# KiCad board panel12-1616.kicad_pcb
title: Malenki-nano2; date: 2019-11-07
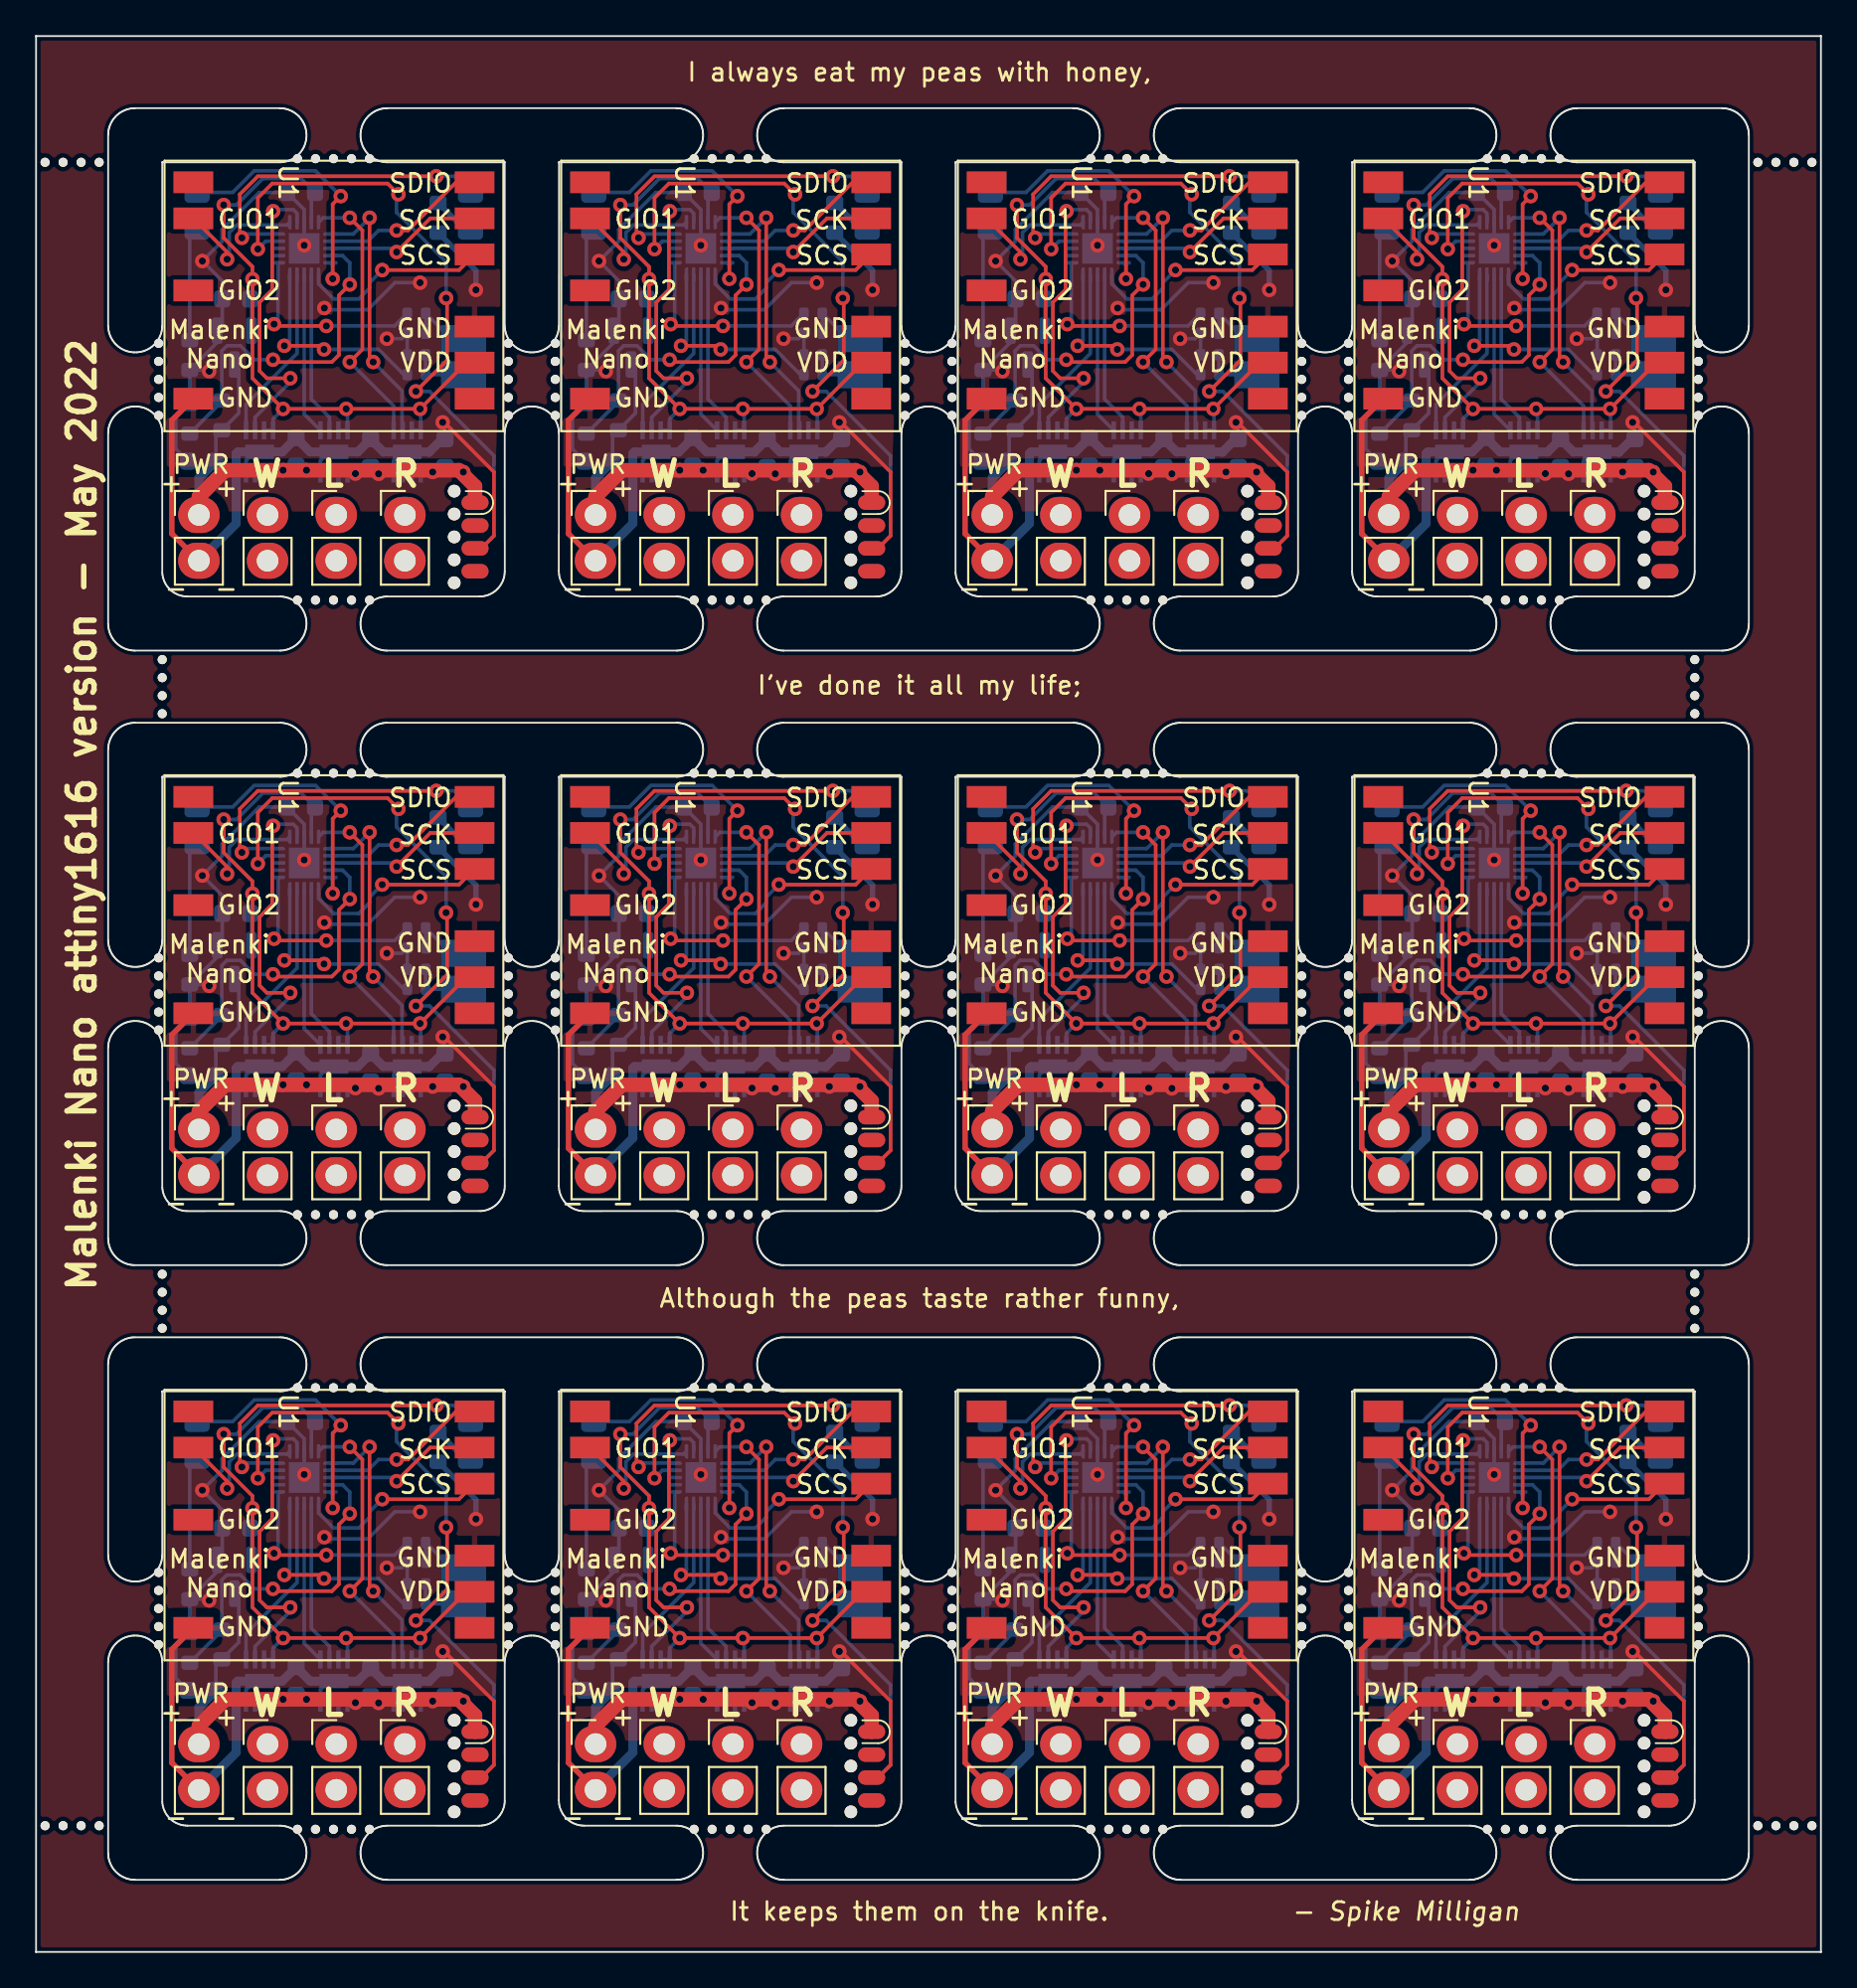
[diagram p0: board, top side]
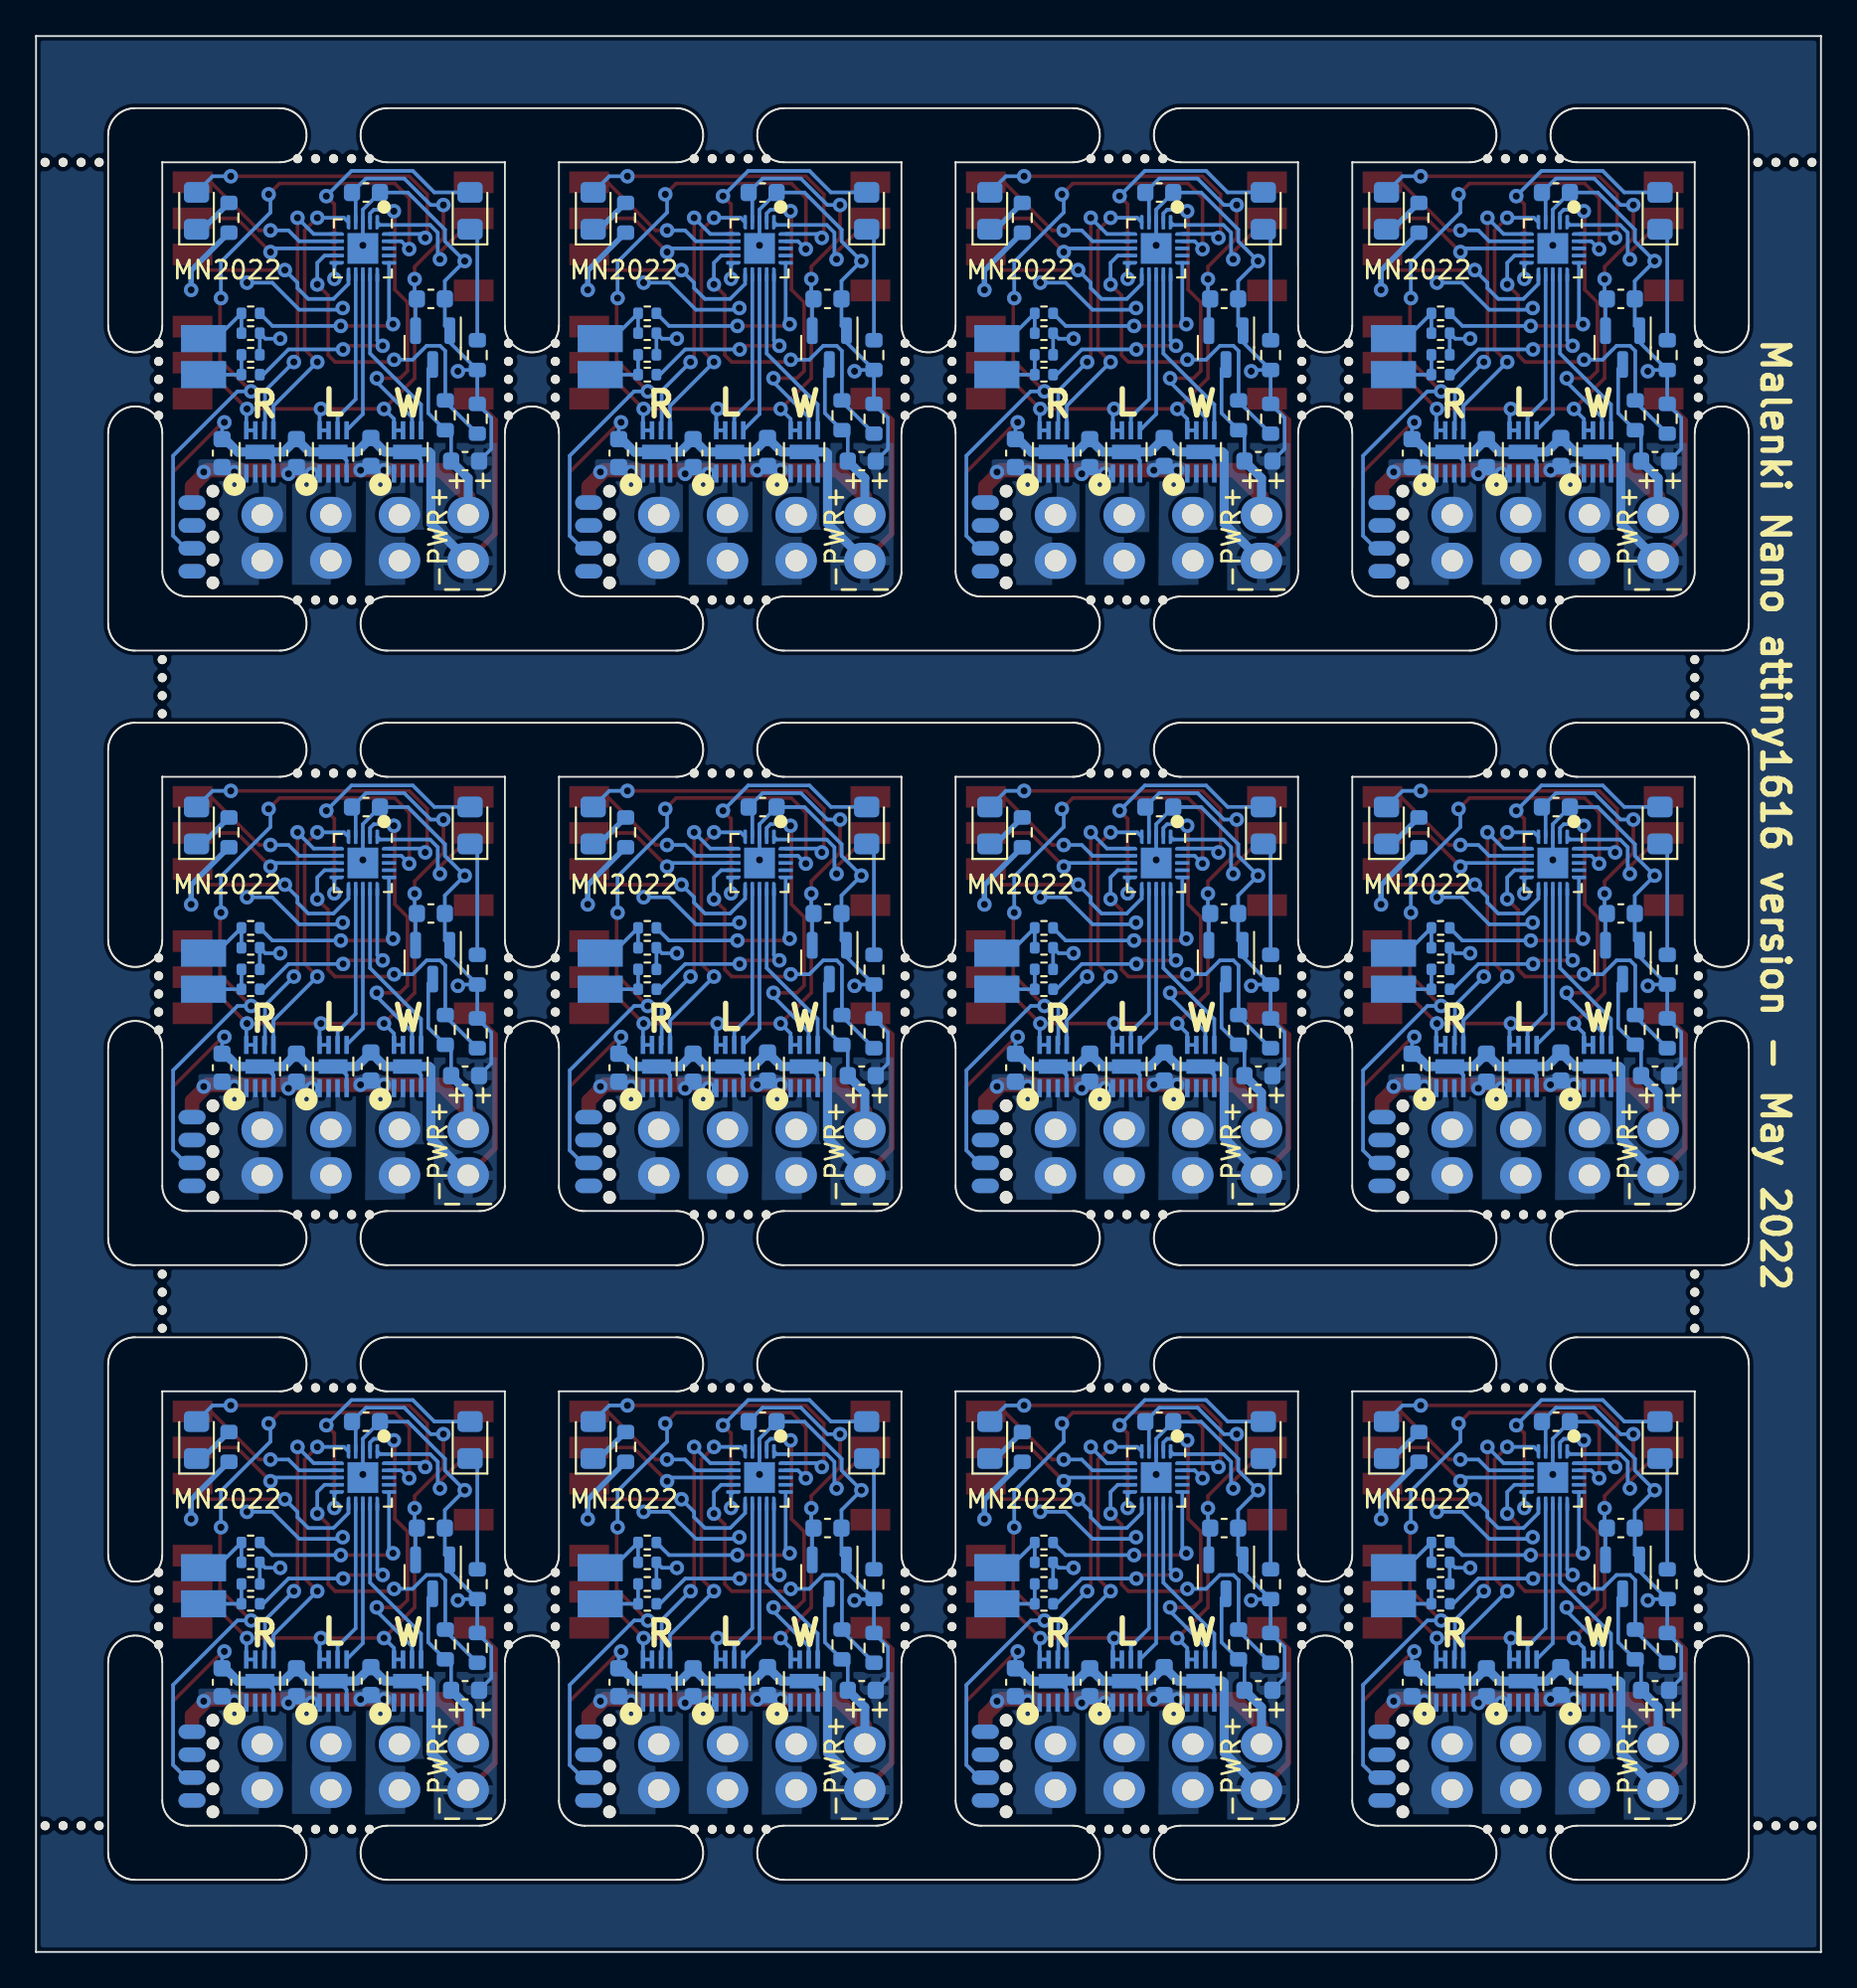
[diagram p1: board, bottom side, seen from below]

Outline 99.02 x 106.25 mm; copper layers: Top, Bottom. Coordinates in mm from the lower left corner of the outline.
Stack: Top 0.035mm / dielectric 1.51mm FR4 er 4.5 / Bottom 0.035mm

## Placement (name value [footprint] x y rotation side)
C2  10uF 25V  [C_0603_1608Metric]  53.21 14.51 180 bottom
C2#2  10uF 25V  [C_0603_1608Metric]  31.21 82.68 180 bottom
C2#3  10uF 25V  [C_0603_1608Metric]  53.21 82.68 180 bottom
C2#4  10uF 25V  [C_0603_1608Metric]  31.21 14.51 180 bottom
C2#5  10uF 25V  [C_0603_1608Metric]  75.22 14.51 180 bottom
C2#6  10uF 25V  [C_0603_1608Metric]  75.22 82.68 180 bottom
C2#7  10uF 25V  [C_0603_1608Metric]  9.2 82.68 180 bottom
C2#8  10uF 25V  [C_0603_1608Metric]  75.22 48.6 180 bottom
C2#9  10uF 25V  [C_0603_1608Metric]  53.21 48.6 180 bottom
C2#10  10uF 25V  [C_0603_1608Metric]  31.21 48.6 180 bottom
C2#11  10uF 25V  [C_0603_1608Metric]  9.2 14.51 180 bottom
C2#12  10uF 25V  [C_0603_1608Metric]  9.2 48.6 180 bottom
C3  10uF 25V  [C_0603_1608Metric]  55.11 57.59 180 bottom
C3#2  10uF 25V  [C_0603_1608Metric]  33.11 57.59 180 bottom
C3#3  10uF 25V  [C_0603_1608Metric]  11.1 23.51 180 bottom
C3#4  10uF 25V  [C_0603_1608Metric]  55.11 23.51 180 bottom
C3#5  10uF 25V  [C_0603_1608Metric]  55.11 91.67 180 bottom
C3#6  10uF 25V  [C_0603_1608Metric]  77.12 23.51 180 bottom
C3#7  10uF 25V  [C_0603_1608Metric]  77.12 91.67 180 bottom
C3#8  10uF 25V  [C_0603_1608Metric]  11.1 57.59 180 bottom
C3#9  10uF 25V  [C_0603_1608Metric]  77.12 57.59 180 bottom
C3#10  10uF 25V  [C_0603_1608Metric]  11.1 91.67 180 bottom
C3#11  10uF 25V  [C_0603_1608Metric]  33.11 23.51 180 bottom
C3#12  10uF 25V  [C_0603_1608Metric]  33.11 91.67 180 bottom
C4  0.1uF  [C_0603_1608Metric]  36.71 29.41 180 bottom
C4#2  0.1uF  [C_0603_1608Metric]  14.7 63.49 180 bottom
C4#3  0.1uF  [C_0603_1608Metric]  58.71 63.49 180 bottom
C4#4  0.1uF  [C_0603_1608Metric]  36.71 97.57 180 bottom
C4#5  0.1uF  [C_0603_1608Metric]  36.71 63.49 180 bottom
C4#6  0.1uF  [C_0603_1608Metric]  80.72 29.41 180 bottom
C4#7  0.1uF  [C_0603_1608Metric]  58.71 29.41 180 bottom
C4#8  0.1uF  [C_0603_1608Metric]  80.72 63.49 180 bottom
C4#9  0.1uF  [C_0603_1608Metric]  58.71 97.57 180 bottom
C4#10  0.1uF  [C_0603_1608Metric]  14.7 29.41 180 bottom
C4#11  0.1uF  [C_0603_1608Metric]  80.72 97.57 180 bottom
C4#12  0.1uF  [C_0603_1608Metric]  14.7 97.57 180 bottom
C5  10uF 25V  [C_0603_1608Metric]  80.45 83.19 90 bottom
C5#2  10uF 25V  [C_0603_1608Metric]  14.43 15.02 90 bottom
C5#3  10uF 25V  [C_0603_1608Metric]  80.45 49.1 90 bottom
C5#4  10uF 25V  [C_0603_1608Metric]  36.44 83.19 90 bottom
C5#5  10uF 25V  [C_0603_1608Metric]  14.43 49.1 90 bottom
C5#6  10uF 25V  [C_0603_1608Metric]  36.44 49.1 90 bottom
C5#7  10uF 25V  [C_0603_1608Metric]  58.44 49.1 90 bottom
C5#8  10uF 25V  [C_0603_1608Metric]  58.44 83.19 90 bottom
C5#9  10uF 25V  [C_0603_1608Metric]  14.43 83.19 90 bottom
C5#10  10uF 25V  [C_0603_1608Metric]  80.45 15.02 90 bottom
C5#11  10uF 25V  [C_0603_1608Metric]  36.44 15.02 90 bottom
C5#12  10uF 25V  [C_0603_1608Metric]  58.44 15.02 90 bottom
C6  10uF 25V  [C_0603_1608Metric]  40.56 14.96 90 bottom
C6#2  10uF 25V  [C_0603_1608Metric]  18.56 49.04 90 bottom
C6#3  10uF 25V  [C_0603_1608Metric]  18.56 14.96 90 bottom
C6#4  10uF 25V  [C_0603_1608Metric]  84.57 49.04 90 bottom
C6#5  10uF 25V  [C_0603_1608Metric]  84.57 83.12 90 bottom
C6#6  10uF 25V  [C_0603_1608Metric]  40.56 49.04 90 bottom
C6#7  10uF 25V  [C_0603_1608Metric]  40.56 83.12 90 bottom
C6#8  10uF 25V  [C_0603_1608Metric]  84.57 14.96 90 bottom
C6#9  10uF 25V  [C_0603_1608Metric]  62.57 14.96 90 bottom
C6#10  10uF 25V  [C_0603_1608Metric]  62.57 49.04 90 bottom
C6#11  10uF 25V  [C_0603_1608Metric]  62.57 83.12 90 bottom
C6#12  10uF 25V  [C_0603_1608Metric]  18.56 83.12 90 bottom
C7  10uF 25V  [C_0603_1608Metric]  22.69 83.12 90 bottom
C7#2  10uF 25V  [C_0603_1608Metric]  44.69 83.12 90 bottom
C7#3  10uF 25V  [C_0603_1608Metric]  88.7 49.04 90 bottom
C7#4  10uF 25V  [C_0603_1608Metric]  44.69 49.04 90 bottom
C7#5  10uF 25V  [C_0603_1608Metric]  88.7 14.96 90 bottom
C7#6  10uF 25V  [C_0603_1608Metric]  66.7 49.04 90 bottom
C7#7  10uF 25V  [C_0603_1608Metric]  66.7 14.96 90 bottom
C7#8  10uF 25V  [C_0603_1608Metric]  88.7 83.12 90 bottom
C7#9  10uF 25V  [C_0603_1608Metric]  22.69 49.04 90 bottom
C7#10  10uF 25V  [C_0603_1608Metric]  22.69 14.96 90 bottom
C7#11  10uF 25V  [C_0603_1608Metric]  44.69 14.96 90 bottom
C7#12  10uF 25V  [C_0603_1608Metric]  66.7 83.12 90 bottom
D1  LED Blue  [LED_0805_2012Metric_Pad1.15x1.40mm_HandSolder]  8.93 62.47 90 bottom
D1#2  LED Blue  [LED_0805_2012Metric_Pad1.15x1.40mm_HandSolder]  30.94 96.56 90 bottom
D1#3  LED Blue  [LED_0805_2012Metric_Pad1.15x1.40mm_HandSolder]  52.94 96.56 90 bottom
D1#4  LED Blue  [LED_0805_2012Metric_Pad1.15x1.40mm_HandSolder]  52.94 28.39 90 bottom
D1#5  LED Blue  [LED_0805_2012Metric_Pad1.15x1.40mm_HandSolder]  74.94 28.39 90 bottom
D1#6  LED Blue  [LED_0805_2012Metric_Pad1.15x1.40mm_HandSolder]  8.93 28.39 90 bottom
D1#7  LED Blue  [LED_0805_2012Metric_Pad1.15x1.40mm_HandSolder]  8.93 96.56 90 bottom
D1#8  LED Blue  [LED_0805_2012Metric_Pad1.15x1.40mm_HandSolder]  52.94 62.47 90 bottom
D1#9  LED Blue  [LED_0805_2012Metric_Pad1.15x1.40mm_HandSolder]  74.94 62.47 90 bottom
D1#10  LED Blue  [LED_0805_2012Metric_Pad1.15x1.40mm_HandSolder]  74.94 96.56 90 bottom
D1#11  LED Blue  [LED_0805_2012Metric_Pad1.15x1.40mm_HandSolder]  30.94 28.39 90 bottom
D1#12  LED Blue  [LED_0805_2012Metric_Pad1.15x1.40mm_HandSolder]  30.94 62.47 90 bottom
D2  LED Red  [LED_0805_2012Metric_Pad1.15x1.40mm_HandSolder]  24.1 62.47 90 bottom
D2#2  LED Red  [LED_0805_2012Metric_Pad1.15x1.40mm_HandSolder]  24.1 28.39 90 bottom
D2#3  LED Red  [LED_0805_2012Metric_Pad1.15x1.40mm_HandSolder]  68.11 96.56 90 bottom
D2#4  LED Red  [LED_0805_2012Metric_Pad1.15x1.40mm_HandSolder]  46.11 28.39 90 bottom
D2#5  LED Red  [LED_0805_2012Metric_Pad1.15x1.40mm_HandSolder]  90.12 28.39 90 bottom
D2#6  LED Red  [LED_0805_2012Metric_Pad1.15x1.40mm_HandSolder]  68.11 28.39 90 bottom
D2#7  LED Red  [LED_0805_2012Metric_Pad1.15x1.40mm_HandSolder]  90.12 62.47 90 bottom
D2#8  LED Red  [LED_0805_2012Metric_Pad1.15x1.40mm_HandSolder]  90.12 96.56 90 bottom
D2#9  LED Red  [LED_0805_2012Metric_Pad1.15x1.40mm_HandSolder]  68.11 62.47 90 bottom
D2#10  LED Red  [LED_0805_2012Metric_Pad1.15x1.40mm_HandSolder]  24.1 96.56 90 bottom
D2#11  LED Red  [LED_0805_2012Metric_Pad1.15x1.40mm_HandSolder]  46.11 96.56 90 bottom
D2#12  LED Red  [LED_0805_2012Metric_Pad1.15x1.40mm_HandSolder]  46.11 62.47 90 bottom
J1  Conn_01x02_Male  [PinHeader_1x02_P2.54mm_BIG1]  75.05 79.69 0 top
J1#2  Conn_01x02_Male  [PinHeader_1x02_P2.54mm_BIG1]  53.04 11.53 0 top
J1#3  Conn_01x02_Male  [PinHeader_1x02_P2.54mm_BIG1]  31.04 45.61 0 top
J1#4  Conn_01x02_Male  [PinHeader_1x02_P2.54mm_BIG1]  9.03 11.53 0 top
J1#5  Conn_01x02_Male  [PinHeader_1x02_P2.54mm_BIG1]  53.04 45.61 0 top
J1#6  Conn_01x02_Male  [PinHeader_1x02_P2.54mm_BIG1]  75.05 11.53 0 top
J1#7  Conn_01x02_Male  [PinHeader_1x02_P2.54mm_BIG1]  53.04 79.69 0 top
J1#8  Conn_01x02_Male  [PinHeader_1x02_P2.54mm_BIG1]  9.03 45.61 0 top
J1#9  Conn_01x02_Male  [PinHeader_1x02_P2.54mm_BIG1]  75.05 45.61 0 top
J1#10  Conn_01x02_Male  [PinHeader_1x02_P2.54mm_BIG1]  9.03 79.69 0 top
J1#11  Conn_01x02_Male  [PinHeader_1x02_P2.54mm_BIG1]  31.04 79.69 0 top
J1#12  Conn_01x02_Male  [PinHeader_1x02_P2.54mm_BIG1]  31.04 11.53 0 top
J2  Conn_01x08_Male  [SOIC_clipProgSmall]  91.12 78.47 90 top
J2#2  Conn_01x08_Male  [SOIC_clipProgSmall]  91.12 44.39 90 top
J2#3  Conn_01x08_Male  [SOIC_clipProgSmall]  69.11 78.47 90 top
J2#4  Conn_01x08_Male  [SOIC_clipProgSmall]  25.1 44.39 90 top
J2#5  Conn_01x08_Male  [SOIC_clipProgSmall]  91.12 10.31 90 top
J2#6  Conn_01x08_Male  [SOIC_clipProgSmall]  25.1 10.31 90 top
J2#7  Conn_01x08_Male  [SOIC_clipProgSmall]  69.11 44.39 90 top
J2#8  Conn_01x08_Male  [SOIC_clipProgSmall]  69.11 10.31 90 top
J2#9  Conn_01x08_Male  [SOIC_clipProgSmall]  47.11 10.31 90 top
J2#10  Conn_01x08_Male  [SOIC_clipProgSmall]  47.11 78.47 90 top
J2#11  Conn_01x08_Male  [SOIC_clipProgSmall]  25.1 78.47 90 top
J2#12  Conn_01x08_Male  [SOIC_clipProgSmall]  47.11 44.39 90 top
J3  Conn_01x02  [wirepad_2]  67.72 54.39 270 bottom
J3#2  Conn_01x02  [wirepad_2]  67.72 20.31 270 bottom
J3#3  Conn_01x02  [wirepad_2]  23.71 54.39 270 bottom
J3#4  Conn_01x02  [wirepad_2]  89.73 54.39 270 bottom
J3#5  Conn_01x02  [wirepad_2]  45.72 54.39 270 bottom
J3#6  Conn_01x02  [wirepad_2]  23.71 88.47 270 bottom
J3#7  Conn_01x02  [wirepad_2]  23.71 20.31 270 bottom
J3#8  Conn_01x02  [wirepad_2]  89.73 88.47 270 bottom
J3#9  Conn_01x02  [wirepad_2]  45.72 88.47 270 bottom
J3#10  Conn_01x02  [wirepad_2]  45.72 20.31 270 bottom
J3#11  Conn_01x02  [wirepad_2]  89.73 20.31 270 bottom
J3#12  Conn_01x02  [wirepad_2]  67.72 88.47 270 bottom
J5  Conn_01x02_Male  [PinHeader_1x02_P2.54mm_BIG1]  12.84 45.61 0 top
J5#2  Conn_01x02_Male  [PinHeader_1x02_P2.54mm_BIG1]  56.85 79.69 0 top
J5#3  Conn_01x02_Male  [PinHeader_1x02_P2.54mm_BIG1]  78.86 11.53 0 top
J5#4  Conn_01x02_Male  [PinHeader_1x02_P2.54mm_BIG1]  12.84 79.69 0 top
J5#5  Conn_01x02_Male  [PinHeader_1x02_P2.54mm_BIG1]  56.85 45.61 0 top
J5#6  Conn_01x02_Male  [PinHeader_1x02_P2.54mm_BIG1]  78.86 79.69 0 top
J5#7  Conn_01x02_Male  [PinHeader_1x02_P2.54mm_BIG1]  34.85 45.61 0 top
J5#8  Conn_01x02_Male  [PinHeader_1x02_P2.54mm_BIG1]  34.85 79.69 0 top
J5#9  Conn_01x02_Male  [PinHeader_1x02_P2.54mm_BIG1]  12.84 11.53 0 top
J5#10  Conn_01x02_Male  [PinHeader_1x02_P2.54mm_BIG1]  34.85 11.53 0 top
J5#11  Conn_01x02_Male  [PinHeader_1x02_P2.54mm_BIG1]  78.86 45.61 0 top
J5#12  Conn_01x02_Male  [PinHeader_1x02_P2.54mm_BIG1]  56.85 11.53 0 top
J6  Conn_01x02_Male  [PinHeader_1x02_P2.54mm_BIG1]  16.65 79.69 0 top
J6#2  Conn_01x02_Male  [PinHeader_1x02_P2.54mm_BIG1]  82.67 11.53 0 top
J6#3  Conn_01x02_Male  [PinHeader_1x02_P2.54mm_BIG1]  82.67 79.69 0 top
J6#4  Conn_01x02_Male  [PinHeader_1x02_P2.54mm_BIG1]  16.65 45.61 0 top
J6#5  Conn_01x02_Male  [PinHeader_1x02_P2.54mm_BIG1]  38.66 79.69 0 top
J6#6  Conn_01x02_Male  [PinHeader_1x02_P2.54mm_BIG1]  60.66 79.69 0 top
J6#7  Conn_01x02_Male  [PinHeader_1x02_P2.54mm_BIG1]  82.67 45.61 0 top
J6#8  Conn_01x02_Male  [PinHeader_1x02_P2.54mm_BIG1]  60.66 45.61 0 top
J6#9  Conn_01x02_Male  [PinHeader_1x02_P2.54mm_BIG1]  38.66 11.53 0 top
J6#10  Conn_01x02_Male  [PinHeader_1x02_P2.54mm_BIG1]  16.65 11.53 0 top
J6#11  Conn_01x02_Male  [PinHeader_1x02_P2.54mm_BIG1]  60.66 11.53 0 top
J6#12  Conn_01x02_Male  [PinHeader_1x02_P2.54mm_BIG1]  38.66 45.61 0 top
J7  Conn_01x02_Male  [PinHeader_1x02_P2.54mm_BIG1]  86.48 79.69 0 top
J7#2  Conn_01x02_Male  [PinHeader_1x02_P2.54mm_BIG1]  64.47 79.69 0 top
J7#3  Conn_01x02_Male  [PinHeader_1x02_P2.54mm_BIG1]  42.47 79.69 0 top
J7#4  Conn_01x02_Male  [PinHeader_1x02_P2.54mm_BIG1]  42.47 45.61 0 top
J7#5  Conn_01x02_Male  [PinHeader_1x02_P2.54mm_BIG1]  20.46 11.53 0 top
J7#6  Conn_01x02_Male  [PinHeader_1x02_P2.54mm_BIG1]  86.48 11.53 0 top
J7#7  Conn_01x02_Male  [PinHeader_1x02_P2.54mm_BIG1]  64.47 45.61 0 top
J7#8  Conn_01x02_Male  [PinHeader_1x02_P2.54mm_BIG1]  64.47 11.53 0 top
J7#9  Conn_01x02_Male  [PinHeader_1x02_P2.54mm_BIG1]  42.47 11.53 0 top
J7#10  Conn_01x02_Male  [PinHeader_1x02_P2.54mm_BIG1]  86.48 45.61 0 top
J7#11  Conn_01x02_Male  [PinHeader_1x02_P2.54mm_BIG1]  20.46 45.61 0 top
J7#12  Conn_01x02_Male  [PinHeader_1x02_P2.54mm_BIG1]  20.46 79.69 0 top
R1  220R  [R_0603_1608Metric]  30.53 88.56 270 bottom
R1#2  220R  [R_0603_1608Metric]  74.54 20.39 270 bottom
R1#3  220R  [R_0603_1608Metric]  8.53 54.48 270 bottom
R1#4  220R  [R_0603_1608Metric]  74.54 54.48 270 bottom
R1#5  220R  [R_0603_1608Metric]  30.53 20.39 270 bottom
R1#6  220R  [R_0603_1608Metric]  8.53 20.39 270 bottom
R1#7  220R  [R_0603_1608Metric]  30.53 54.48 270 bottom
R1#8  220R  [R_0603_1608Metric]  74.54 88.56 270 bottom
R1#9  220R  [R_0603_1608Metric]  52.54 54.48 270 bottom
R1#10  220R  [R_0603_1608Metric]  8.53 88.56 270 bottom
R1#11  220R  [R_0603_1608Metric]  52.54 88.56 270 bottom
R1#12  220R  [R_0603_1608Metric]  52.54 20.39 270 bottom
R2  220R  [R_0603_1608Metric]  88.32 28.01 270 bottom
R2#2  220R  [R_0603_1608Metric]  22.3 96.17 270 bottom
R2#3  220R  [R_0603_1608Metric]  22.3 28.01 270 bottom
R2#4  220R  [R_0603_1608Metric]  66.31 96.17 270 bottom
R2#5  220R  [R_0603_1608Metric]  66.31 28.01 270 bottom
R2#6  220R  [R_0603_1608Metric]  44.31 96.17 270 bottom
R2#7  220R  [R_0603_1608Metric]  44.31 28.01 270 bottom
R2#8  220R  [R_0603_1608Metric]  22.3 62.09 270 bottom
R2#9  220R  [R_0603_1608Metric]  88.32 96.17 270 bottom
R2#10  220R  [R_0603_1608Metric]  44.31 62.09 270 bottom
R2#11  220R  [R_0603_1608Metric]  66.31 62.09 270 bottom
R2#12  220R  [R_0603_1608Metric]  88.32 62.09 270 bottom
R3  33k  [R_0603_1608Metric]  10.3 85.22 90 bottom
R3#2  33k  [R_0603_1608Metric]  10.3 17.05 90 bottom
R3#3  33k  [R_0603_1608Metric]  76.32 17.05 90 bottom
R3#4  33k  [R_0603_1608Metric]  54.31 17.05 90 bottom
R3#5  33k  [R_0603_1608Metric]  54.31 51.14 90 bottom
R3#6  33k  [R_0603_1608Metric]  32.31 85.22 90 bottom
R3#7  33k  [R_0603_1608Metric]  32.31 51.14 90 bottom
R3#8  33k  [R_0603_1608Metric]  76.32 85.22 90 bottom
R3#9  33k  [R_0603_1608Metric]  54.31 85.22 90 bottom
R3#10  33k  [R_0603_1608Metric]  76.32 51.14 90 bottom
R3#11  33k  [R_0603_1608Metric]  32.31 17.05 90 bottom
R3#12  33k  [R_0603_1608Metric]  10.3 51.14 90 bottom
R4  10k  [R_0603_1608Metric]  52.54 50.94 90 bottom
R4#2  10k  [R_0603_1608Metric]  8.53 16.86 90 bottom
R4#3  10k  [R_0603_1608Metric]  8.53 50.94 90 bottom
R4#4  10k  [R_0603_1608Metric]  52.54 85.03 90 bottom
R4#5  10k  [R_0603_1608Metric]  30.53 16.86 90 bottom
R4#6  10k  [R_0603_1608Metric]  74.54 16.86 90 bottom
R4#7  10k  [R_0603_1608Metric]  52.54 16.86 90 bottom
R4#8  10k  [R_0603_1608Metric]  30.53 85.03 90 bottom
R4#9  10k  [R_0603_1608Metric]  74.54 85.03 90 bottom
R4#10  10k  [R_0603_1608Metric]  8.53 85.03 90 bottom
R4#11  10k  [R_0603_1608Metric]  30.53 50.94 90 bottom
R4#12  10k  [R_0603_1608Metric]  74.54 50.94 90 bottom
R5  470R  [R_0402_1005Metric]  21.1 19.31 180 bottom
R5#2  470R  [R_0402_1005Metric]  21.1 53.39 180 bottom
R5#3  470R  [R_0402_1005Metric]  43.11 53.39 180 bottom
R5#4  470R  [R_0402_1005Metric]  65.11 87.47 180 bottom
R5#5  470R  [R_0402_1005Metric]  65.11 53.39 180 bottom
R5#6  470R  [R_0402_1005Metric]  87.12 87.47 180 bottom
R5#7  470R  [R_0402_1005Metric]  65.11 19.31 180 bottom
R5#8  470R  [R_0402_1005Metric]  87.12 19.31 180 bottom
R5#9  470R  [R_0402_1005Metric]  43.11 19.31 180 bottom
R5#10  470R  [R_0402_1005Metric]  21.1 87.47 180 bottom
R5#11  470R  [R_0402_1005Metric]  43.11 87.47 180 bottom
R5#12  470R  [R_0402_1005Metric]  87.12 53.39 180 bottom
R6  470R  [R_0402_1005Metric]  21.1 90.87 180 bottom
R6#2  470R  [R_0402_1005Metric]  87.12 22.71 180 bottom
R6#3  470R  [R_0402_1005Metric]  65.11 90.87 180 bottom
R6#4  470R  [R_0402_1005Metric]  21.1 22.71 180 bottom
R6#5  470R  [R_0402_1005Metric]  87.12 90.87 180 bottom
R6#6  470R  [R_0402_1005Metric]  65.11 56.79 180 bottom
R6#7  470R  [R_0402_1005Metric]  43.11 90.87 180 bottom
R6#8  470R  [R_0402_1005Metric]  43.11 56.79 180 bottom
R6#9  470R  [R_0402_1005Metric]  87.12 56.79 180 bottom
R6#10  470R  [R_0402_1005Metric]  21.1 56.79 180 bottom
R6#11  470R  [R_0402_1005Metric]  65.11 22.71 180 bottom
R6#12  470R  [R_0402_1005Metric]  43.11 22.71 180 bottom
R7  10k  [R_0402_1005Metric]  65.11 20.41 0 bottom
R7#2  10k  [R_0402_1005Metric]  87.12 88.57 0 bottom
R7#3  10k  [R_0402_1005Metric]  43.11 20.41 0 bottom
R7#4  10k  [R_0402_1005Metric]  87.12 20.41 0 bottom
R7#5  10k  [R_0402_1005Metric]  65.11 54.49 0 bottom
R7#6  10k  [R_0402_1005Metric]  21.1 20.41 0 bottom
R7#7  10k  [R_0402_1005Metric]  65.11 88.57 0 bottom
R7#8  10k  [R_0402_1005Metric]  21.1 54.49 0 bottom
R7#9  10k  [R_0402_1005Metric]  87.12 54.49 0 bottom
R7#10  10k  [R_0402_1005Metric]  21.1 88.57 0 bottom
R7#11  10k  [R_0402_1005Metric]  43.11 88.57 0 bottom
R7#12  10k  [R_0402_1005Metric]  43.11 54.49 0 bottom
R8  10k  [R_0402_1005Metric]  65.11 89.77 0 bottom
R8#2  10k  [R_0402_1005Metric]  65.11 21.61 0 bottom
R8#3  10k  [R_0402_1005Metric]  87.12 89.77 0 bottom
R8#4  10k  [R_0402_1005Metric]  43.11 89.77 0 bottom
R8#5  10k  [R_0402_1005Metric]  65.11 55.69 0 bottom
R8#6  10k  [R_0402_1005Metric]  21.1 89.77 0 bottom
R8#7  10k  [R_0402_1005Metric]  43.11 21.61 0 bottom
R8#8  10k  [R_0402_1005Metric]  87.12 21.61 0 bottom
R8#9  10k  [R_0402_1005Metric]  21.1 21.61 0 bottom
R8#10  10k  [R_0402_1005Metric]  43.11 55.69 0 bottom
R8#11  10k  [R_0402_1005Metric]  87.12 55.69 0 bottom
R8#12  10k  [R_0402_1005Metric]  21.1 55.69 0 bottom
REF**  -  [NPTH]  7 34.59 0 top
REF**#2  -  [NPTH]  82.52 6.8 0 top
REF**#3  -  [NPTH]  28.8 51.13 0 top
REF**#4  -  [NPTH]  50.81 18.05 0 top
REF**#5  -  [NPTH]  18.5 40.89 0 top
REF**#6  -  [NPTH]  16.5 74.97 0 top
REF**#7  -  [NPTH]  70.21 88.21 0 top
REF**#8  -  [NPTH]  26.2 54.13 0 top
REF**#9  -  [NPTH]  37.51 74.97 0 top
REF**#10  -  [NPTH]  70.21 21.05 0 top
REF**#11  -  [NPTH]  72.81 18.05 0 top
REF**#12  -  [NPTH]  39.51 99.45 0 top
REF**#13  -  [NPTH]  6.8 19.05 0 top
REF**#14  -  [NPTH]  1.5 7 0 top
REF**#15  -  [NPTH]  92.02 37.59 0 top
REF**#16  -  [NPTH]  50.81 21.05 0 top
REF**#17  -  [NPTH]  14.5 31.29 0 top
REF**#18  -  [NPTH]  92.22 20.04 0 top
REF**#19  -  [NPTH]  26.2 87.21 0 top
REF**#20  -  [NPTH]  62.51 65.37 0 top
REF**#21  -  [NPTH]  6.8 85.21 0 top
REF**#22  -  [NPTH]  3.5 99.25 0 top
REF**#23  -  [NPTH]  37.51 65.37 0 top
REF**#24  -  [NPTH]  82.52 74.97 0 top
REF**#25  -  [NPTH]  50.81 55.13 0 top
REF**#26  -  [NPTH]  59.51 31.29 0 top
REF**#27  -  [NPTH]  7 36.59 0 top
REF**#28  -  [NPTH]  26.2 85.21 0 top
REF**#29  -  [NPTH]  72.81 17.05 0 top
REF**#30  -  [NPTH]  36.51 74.97 0 top
REF**#31  -  [NPTH]  50.81 85.21 0 top
REF**#32  -  [NPTH]  58.51 99.45 0 top
REF**#33  -  [NPTH]  26.2 51.13 0 top
REF**#34  -  [NPTH]  38.51 65.37 0 top
REF**#35  -  [NPTH]  38.51 6.8 0 top
REF**#36  -  [NPTH]  14.5 74.97 0 top
REF**#37  -  [NPTH]  70.21 52.13 0 top
REF**#38  -  [NPTH]  92.22 89.21 0 top
REF**#39  -  [NPTH]  62.51 6.8 0 top
REF**#40  -  [NPTH]  7 35.59 0 top
REF**#41  -  [NPTH]  36.51 65.37 0 top
REF**#42  -  [NPTH]  81.52 65.37 0 top
REF**#43  -  [NPTH]  61.51 40.89 0 top
REF**#44  -  [NPTH]  50.81 17.05 0 top
REF**#45  -  [NPTH]  60.51 74.97 0 top